# KiCad board CLN17-V1.5.kicad_pcb
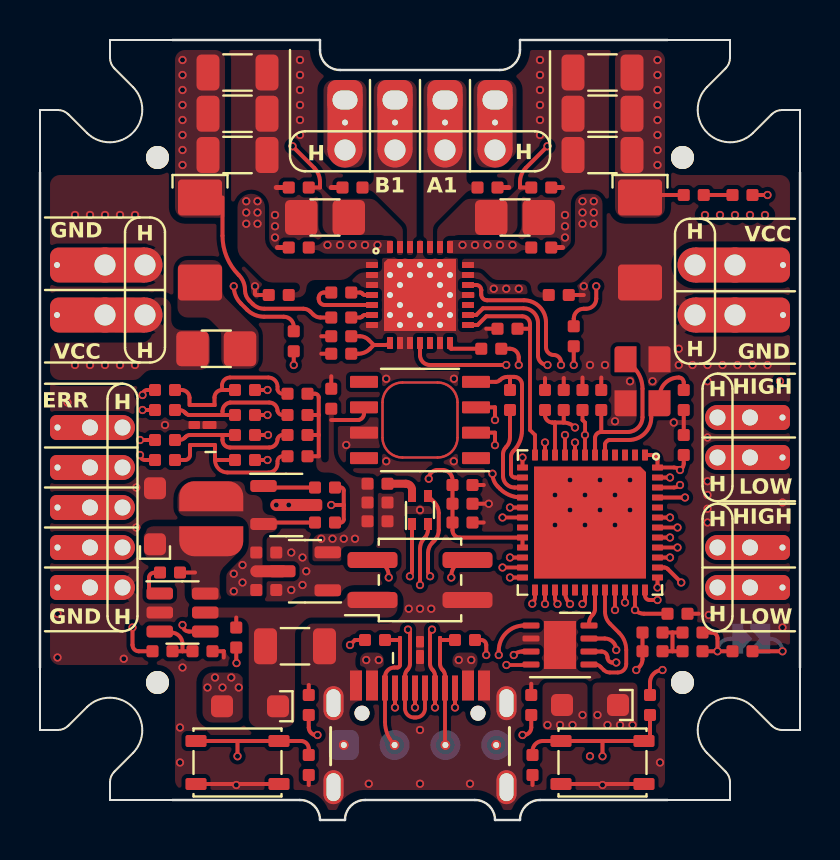
[diagram p0: board, top side]
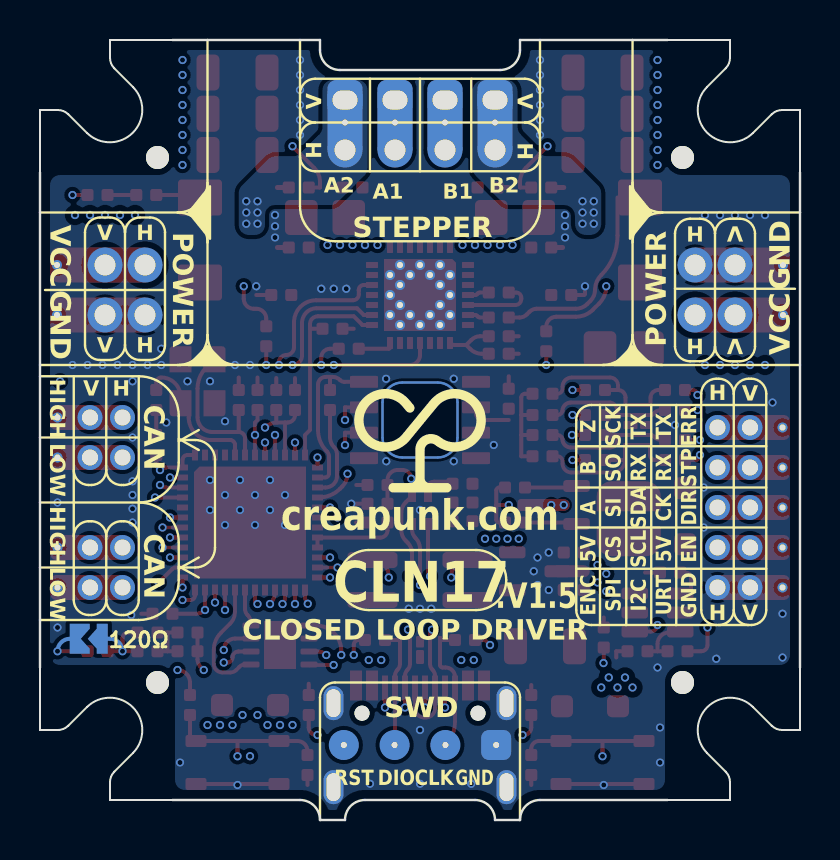
[diagram p1: board, bottom side, seen from below]

Outline 38 x 39 mm; copper layers: Top, In1.Cu, In2.Cu (plane), Bottom (plane). Coordinates in mm from the lower left corner of the outline.
Outline path: 0,32.38 0,7.62 ; 6.62,1 13,1 arc(13.71,0.71) 14,0 15.25,0 arc(15.54,0.71) 16.25,1 21.75,1 arc(22.46,0.71) 22.75,0 24,0 arc(24.29,0.71) 25,1 31.38,1 ; 6.62,39 14,39 14,38.5 arc(14.29,37.79) 15,37.5 23,37.5 arc(23.71,37.79) 24,38.5 24,39 31.38,39 ; 38,7.62 38,32.38
Stack: Top 0.035mm / dielectric 0.1mm FR4 er 4.5 / In1.Cu 0.035mm / dielectric 0.62mm FR4 er 4.5 / In2.Cu 0.035mm / dielectric 0.1mm FR4 er 4.5 / Bottom 0.035mm

## Placement (name value [footprint] x y rotation side)
C1  100n  [C0402]  14.56 21.06 90 top
C2  10u  [C0402]  16.88 14.94 180 top
C3  100n  [C0402]  31.88 10.31 0 top
C4  100n  [C0402]  32.19 18.75 90 top
C5  10u 50V  [C_1206_3216Metric]  28.12 35.31 0 top
C6  12p  [C0402]  32.19 21 90 top
C7  12p  [C0402]  28.06 21 270 top
C8  10u 50V  [C_1206_3216Metric]  28.12 37.38 0 top
C9  10u 50V  [C_1206_3216Metric]  28.12 33.25 0 top
C10  10u 50V  [C_1206_3216Metric]  9.88 33.25 180 top
C11  470p  [C0402]  22.38 31.62 180 top
C12  10u 50V  [C_1206_3216Metric]  12.75 8.69 180 top
C13  10u 50V  [C_1206_3216Metric]  9.88 37.38 180 top
C14  10u 50V  [C_1206_3216Metric]  9.88 35.31 180 top
C15  1u  [C0402]  21.12 15.81 0 top
C16  10u  [C0402]  16.88 15.88 180 top
C17  100n  [C0402]  21.12 14.88 0 top
C18  100n  [C0402]  24.62 2.75 270 top
C19  470p  [C0402]  15.62 31.62 0 top
C20  470p  [C0402]  25.94 26.25 180 top
C21  100n  [C0402]  26.19 21 90 top
C22  100n  [C0402]  13.44 2.75 270 top
C23  470p  [C0402]  11.94 26.25 0 top
C24  100n  [C0402]  15.06 25.12 0 top
C25  100n  [C0402]  6.5 12.38 180 top
C26  10u  [C0402]  21.12 16.75 180 top
C27  22n  [C0402]  15.06 26.37 180 top
C28  100n  [C0402]  12.94 31.62 180 top
C29  1u  [C0402]  15.06 23.31 180 top
C30  100n  [C0402]  12.94 28.62 180 top
C31  100n  [C0402]  27.12 21 90 top
C32  1u  [C0402]  15.06 24.19 180 top
C33  100n  [C0402]  25.06 31.62 0 top
C34  10u  [C0402]  11.31 13.38 180 top
C35  10u  [C0402]  11.31 11.5 180 top
C36  100n  [C0402]  25.06 28.62 0 top
C40  100n  [C0402]  23.38 24.56 180 top
D2  SS24  [D_SOD-123F]  5.75 15.19 90 top
D4  SS24  [D_SOD-123F]  10.5 5.69 180 top
D5  SS54B  [D_SMB]  8 29 270 top
D6  LED_RABG  [LED_RGB_0606]  19 15.5 90 top
D7  SS24  [D_SOD-123F]  27.5 5.75 180 top
D8  SMBJ26A  [D_SMB]  30 29 270 top
F1  6A  [R1206_Shunt]  8.81 23.56 0 top
G***  -  [LOGO]  19 19.62 180 bottom
IC1  STM32G431CB  [QFN-48-1EP_7x7mm_P0.5mm_EP5.6x5.6mm]  27.5 14.87 270 top
J1  PWR  [XH2.54 2P]  32.75 26.5 270 top
J2  PWR  [XH2.54 2P]  5.25 26.5 90 top
J3  TYPE-C-31-M-12  [USB-TYPE-C-31-M-12]  19 4.12 0 top
J4  Motor  [XH2.54 4P]  19 33.75 0 top
J5  CTRL  [PH2.0 5P]  4.12 15.62 90 top
J6  CAN  [PH2.0 2P]  33.88 19.12 270 top
J7  CAN  [PH2.0 2P]  33.88 12.62 270 top
J8  DEBUG  [SWD]  19 3.75 0 bottom
J9  IO  [2x2P2.00mm_Vertical_SMD]  19 12 180 top
JP1  SolderJumper_2_Open  [SolderJumper]  35.56 9.06 0 bottom
L1  33u 600mA  [CD32]  8.56 15.06 270 top
Q1  AO3401  [SOT-23-3]  12.31 15.75 0 top
R1  120  [R0402]  6.25 20.5 180 top
R2  120  [R0402]  6.25 18 180 top
R3  120  [R0402]  6.25 19 180 top
R4  120  [R0402]  21.25 9 180 top
R5  27k  [R0402]  32.69 31.25 0 top
R6  5.1k  [R0402]  25.25 21 90 top
R7  100k  [R0402]  9.81 9.12 90 top
R8  0R  [R0402]  35.12 8.44 0 top
R9  27k  [R0402]  6.12 8.44 180 top
R10  5.1k  [R0402]  8.12 8.44 180 top
R11  100m  [R1206_Shunt]  14.25 30.12 180 top
R12  100m  [R1206_Shunt]  23.75 30.12 0 top
R13  5.1k  [R0402]  30.5 5.75 90 top
R14  510  [R0402]  22.56 23.56 0 top
R15  510  [R0402]  16.88 16.81 180 top
R16  27k  [R0402]  35.12 31.25 0 top
R17  120  [R0402]  10.25 20.25 180 top
R18  120  [R0402]  10.25 18 180 top
R19  120  [R0402]  10.25 21.5 180 top
R20  5.1k  [R0402]  12.88 20.25 0 top
R21  5.1k  [R0402]  12.88 18.19 0 top
R22  5.1k  [R0402]  12.88 19.25 0 top
R23  120  [R0402]  16.75 9 0 top
R24  120  [R0402]  32.62 9.38 180 top
R25  5.1k  [R0402]  26.69 24.19 90 top
R26  120  [R0402]  6.25 21.5 180 top
R27  5.1k  [R0402]  12.88 21.31 0 top
R28  120  [R0402]  30.62 9.38 0 top
R29  5.1k  [R0402]  13.44 5.75 270 top
R30  120  [R0402]  32.62 8.44 180 top
R31  120  [R0402]  30.62 8.44 0 top
R32  10k  [R0402]  14.25 14.88 180 top
R33  510  [R0402]  14.25 16.62 0 top
R34  5.1k  [R0402]  12.69 23.94 90 top
R35  120  [R0402]  10.25 19.25 180 top
R36  510  [R0402]  23.5 21 270 top
R37  5.1k  [R0402]  24.56 5.75 270 top
REF**  -  [MountingHole]  3.5 4.5 270 top
REF**#2  -  [MountingHole]  34.5 35.5 90 top
REF**#3  -  [MountingHole]  34.5 4.5 0 top
REF**#4  -  [MountingHole]  3.5 35.5 180 top
SW1  SW_Push  [SW_SPST_PTS810]  9.88 2.88 0 top
SW2  SW_Push  [SW_SPST_PTS810]  28.12 2.88 0 top
U1  TMC2209  [QFN-28-termal]  19 26.25 0 top
U2  TLE5012B  [SOIC-8_3.9x4.9mm_P1.27mm]  19 20 180 top
U4  XC6206  [SOT-23-3]  13.25 12.44 180 top
U5  H5VU25U  [DFN-2510]  19 8.5 90 top
U8  TJA1042  [HVSON-8-1EP_3x3mm_P0.65mm_EP1.6x2.4mm]  26 8.75 0 top
U9  LGS5148  [SOT-23-6]  7.12 10.38 0 top
U10  H5VU25U  [DFN-2510]  8.12 19.75 180 top
Y1  12M  [Crystal-3225-4P]  30.12 21.94 90 top

## Library data of the parts
C1 C3 C4 C17 C18 C21 C22 C24 C28 C30 C31 C33 C36 C40 = -: Description: Unpolarized capacitor, small symbol; LCSC Part #: C307331; Part Type: Basic
C2 C16 C26 C34 C35 = -: Description: Unpolarized capacitor, small symbol; LCSC Part #: C15525; Part Type: Basic
C5 C8-C10 C12-C14 = -: Description: Unpolarized capacitor, small symbol; LCSC Part #: C13585; Part Type: Basic
C6 C7 = -: Description: Unpolarized capacitor, small symbol; LCSC Part #: C1547; Part Type: Basic
C11 C19 C20 C23 = -: Description: Unpolarized capacitor, small symbol; LCSC Part #: C1537; Part Type: Basic
C15 C29 C32 = -: Description: Unpolarized capacitor, small symbol; LCSC Part #: C52923; Part Type: Basic
C25 = -: Description: Unpolarized capacitor, small symbol; LCSC Part #: C1525; Part Type: Basic
C27 = -: Description: Unpolarized capacitor, small symbol; LCSC Part #: C1532; Part Type: Basic
D2 D4 D7 = -: Description: Diode, small symbol; LCSC Part #: C2827931; Part Type: Extended
D5 = -: Description: Diode, small symbol; LCSC Part #: C3011125; Part Type: Extended
D6 = -: Description: RGB LED, red/anode/blue/green; LCSC Part #: C2874115; Part Type: Extended
D8 = -: Description: Zener diode, small symbol; LCSC Part #: C726831; Part Type: Extended
F1 = -: Description: Fuse, small symbol; LCSC Part #: C183157; Part Type: Extended
IC1 = -: Description: STMICROELECTRONICS - STM32G431CBU6 - MCU, 32BIT, 170MHZ, UFQFPN-48; JLC Rotation Offset: 270; LCSC Part #: C529356; Part Type: Extended
J1 J2 = -: Description: Generic connector, single row, 01x02, script generated (kicad-library-utils/schlib/autogen/connector/); JLC Rotation Offset: 180; LCSC Part #: C2908611; Part Type: Extended
J3 = -: LCSC Part #: C2988369; Part Type: Extended
J4 = -: Description: Generic connector, single row, 01x04, script generated (kicad-library-utils/schlib/autogen/connector/); LCSC Part #: C21273; Part Type: Extended
J5 = -: Description: Generic connector, single row, 01x05, script generated (kicad-library-utils/schlib/autogen/connector/); LCSC Part #: C2908637; Part Type: Extended
J6 J7 = -: Description: Generic connector, single row, 01x02, script generated (kicad-library-utils/schlib/autogen/connector/); LCSC Part #: C2908634; Part Type: Extended
J8 = -: Description: Generic connector, single row, 01x04, script generated; Part Type: -----
J9 = -: Description: Generic connector, double row, 02x02, odd/even pin numbering scheme (row 1 odd numbers, row 2 even numbers), script generated (kicad-library-utils/schlib/autogen/connector/); JLC Rotation Offset: 90; LCSC Part #: C2911301; Part Type: Extended
JP1 = -: Description: Solder Jumper, 2-pole, open; Part Type: -----
L1 = -: Description: Inductor, small symbol; LCSC Part #: C492262; Part Type: Extended
Q1 = -: Description: -4.0A Id, -30V Vds, P-Channel MOSFET, SOT-23; JLC Rotation Offset: 180; LCSC Part #: C15127; Part Type: Basic
R1-R4 R17-R19 R23 R24 R26 R28 R30 R31 R35 = -: Description: Resistor, small symbol; LCSC Part #: C25079; Part Type: Basic
R5 R9 R16 = -: Description: Resistor, small symbol; LCSC Part #: C25771; Part Type: Basic
R6 R10 R13 R20-R22 R25 R27 R29 R34 R37 = -: Description: Resistor, small symbol; LCSC Part #: C25941; Part Type: Basic
R7 = -: Description: Resistor, small symbol; LCSC Part #: C25741; Part Type: Basic
R8 = -: Description: Resistor, small symbol; LCSC Part #: C17168; Part Type: Basic
R11 R12 = -: Description: Resistor, small symbol; LCSC Part #: C7467250; Part Type: Extended
R14 R15 R33 R36 = -: Description: Resistor, small symbol; LCSC Part #: C25123; Part Type: Basic
R32 = -: Description: Resistor, small symbol; LCSC Part #: C25744; Part Type: Basic
SW1 SW2 = -: Description: Push button switch, generic, two pins; LCSC Part #: C2888427; Part Type: Extended
U1 = -: JLC Rotation Offset: 270; LCSC Part #: C465949; Part Type: Extended
U2 = -: JLC Rotation Offset: 270; LCSC Part #: C123083; Part Type: Extended
U4 = -: Description: Positive 60-250mA Low Dropout Regulator, Fixed Output, SOT-23; JLC Rotation Offset: 180; LCSC Part #: C5446; Part Type: Basic
U5 U10 = -: Description: Very low capacitance ESD protection diode, 4 data-line, SOT-23-6; JLC Rotation Offset: 270; LCSC Part #: C7420374; Part Type: Basic
U8 = -: Description: CAN Bus Transceiver, EMC optimised, 5.0V, 1Mbps, SOIC-8; JLC Rotation Offset: 270; LCSC Part #: C131480; Part Type: Extended
U9 = -: JLC Rotation Offset: 270; LCSC Part #: C5123972; Part Type: Extended
Y1 = -: Description: Four pin crystal, GND on pins 2 and 4, small symbol; LCSC Part #: C9002; Part Type: Basic

## Footprints (pads in the part's own frame, mm; a bottom-side part is the same pattern mirrored in y, then rotated)
2x2P2.00mm_Vertical_SMD
  rrect 2.5x0.8 smd: 1(2.375,1) 2(-2.375,1) 3(2.375,-1) 4(-2.375,-1)
C0402
  rrect 0.6x0.6 smd: 1(-0.5,0) 2(0.5,0)
C_1206_3216Metric
  rrect 1.15x1.8 smd: 1(-1.475,0) 2(1.475,0)
CD32
  rrect 1.5x3.2 smd: 1(1.125,0) 2(-1.125,0)
Crystal-3225-4P
  rrect 1.3x1.1 smd: 1(-1.1,-0.85) 2(1.1,-0.85) 3(1.1,0.85) 4(-1.1,0.85)
D_SMB
  rrect 1.8x2.2 smd: 1(-2.125,0) 2(2.125,0)
D_SOD-123F
  rrect 1.1x1.1 smd: 1(-1.4,0) 2(1.4,0)
DFN-2510
  rrect 0.625x0.2 smd: 1(-0.388,1) 2(-0.388,0.5) 4(-0.388,-0.5) 5(-0.388,-1) 6(0.388,-1) 7(0.388,-0.5) 9(0.388,0.5) 10(0.388,1)
  rrect 0.7x0.4 smd: 3(-0.35,0)
  rrect 0.575x0.4 smd: 8(0.412,0)
HVSON-8-1EP_3x3mm_P0.65mm_EP1.6x2.4mm
  rrect 0.64x0.97 smd: (-0.4,0.6) (-0.4,-0.6) (0.4,0.6) (0.4,-0.6)
  rrect 0.85x0.3 smd: 1(-1.45,0.975) 2(-1.45,0.325) 3(-1.45,-0.325) 4(-1.45,-0.975) 5(1.45,-0.975) 6(1.45,-0.325) 7(1.45,0.325) 8(1.45,0.975)
  rect 1.6x2.4 smd: 9(0,0)
LED_RGB_0606
  rect 0.6x0.4 smd: 1(-0.7,0.4) 2(0.7,0.4) 3(0.7,-0.4) 4(-0.7,-0.4)
MountingHole
  round 1.152 hole 1.152 unplated: (-2.375,2.375)
PH2.0 2P
  round 0.5 hole 0.3: 1(-1,3.25) 2(1,3.25)
  rrect 1.25x3.625 smd: 1(-1,1.812) 2(1,1.812)
  round 1.25 hole 0.8: 1(-1,1.625) 1(-1,0) 2(1,1.625) 2(1,0)
PH2.0 5P
  round 0.5 hole 0.3: 1(-4,3.25) 2(-2,3.25) 3(0,3.25) 4(2,3.25) 5(4,3.25)
  rrect 1.25x3.625 smd: 1(-4,1.812) 2(-2,1.812) 3(0,1.812) 4(2,1.812) 5(4,1.812)
  round 1.25 hole 0.8: 1(-4,1.625) 1(-4,0) 2(-2,1.625) 2(-2,0) 3(0,1.625) 3(0,0) 4(2,1.625) 4(2,0) 5(4,1.625) 5(4,0)
QFN-28-termal
  rrect 0.6x0.3 smd: 1(-2.4,1.5) 2(-2.4,1) 3(-2.4,0.5) 4(-2.4,0) 5(-2.4,-0.5) 6(-2.4,-1) 7(-2.4,-1.5) 15(2.4,-1.5) 16(2.4,-1) 17(2.4,-0.5) 18(2.4,0) 19(2.4,0.5) 20(2.4,1) 21(2.4,1.5)
  rrect 0.3x0.6 smd: 8(-1.5,-2.4) 9(-1,-2.4) 10(-0.5,-2.4) 11(0,-2.4) 12(0.5,-2.4) 13(1,-2.4) 14(1.5,-2.4) 22(1.5,2.4) 23(1,2.4) 24(0.5,2.4) 25(0,2.4) 26(-0.5,2.4) 27(-1,2.4) 28(-1.5,2.4)
  round 0.5 hole 0.3: 29(-1.5,1) 29(-1.5,0) 29(-1.5,-1) 29(-1,1.5) 29(-1,0.5) 29(-1,-0.5) 29(-1,-1.5) 29(-0.5,1) 29(-0.5,-1) 29(0,1.5) 29(0,-1.5) 29(0.5,1) 29(0.5,-1) 29(1,1.5) 29(1,0.5) 29(1,-0.5) 29(1,-1.5) 29(1.5,1) 29(1.5,0) 29(1.5,-1)
  rrect 3.6x3.6 smd: 29(0,0)
QFN-48-1EP_7x7mm_P0.5mm_EP5.6x5.6mm
  rrect 1.13x1.13 smd: (-2.1,2.1) (-2.1,0.7) (-2.1,-0.7) (-2.1,-2.1) (-0.7,2.1) (-0.7,0.7) (-0.7,-0.7) (-0.7,-2.1) (0.7,2.1) (0.7,0.7) (0.7,-0.7) (0.7,-2.1) (2.1,2.1) (2.1,0.7) (2.1,-0.7) (2.1,-2.1)
  rrect 0.55x0.3 smd: 1(-3.375,2.75) 2(-3.375,2.25) 3(-3.375,1.75) 4(-3.375,1.25) 5(-3.375,0.75) 6(-3.375,0.25) 7(-3.375,-0.25) 8(-3.375,-0.75) 9(-3.375,-1.25) 10(-3.375,-1.75) 11(-3.375,-2.25) 12(-3.375,-2.75) 25(3.375,-2.75) 26(3.375,-2.25) 27(3.375,-1.75) 28(3.375,-1.25) 29(3.375,-0.75) 30(3.375,-0.25) 31(3.375,0.25) 32(3.375,0.75) 33(3.375,1.25) 34(3.375,1.75) 35(3.375,2.25) 36(3.375,2.75)
  rrect 0.3x0.55 smd: 13(-2.75,-3.375) 14(-2.25,-3.375) 15(-1.75,-3.375) 16(-1.25,-3.375) 17(-0.75,-3.375) 18(-0.25,-3.375) 19(0.25,-3.375) 20(0.75,-3.375) 21(1.25,-3.375) 22(1.75,-3.375) 23(2.25,-3.375) 24(2.75,-3.375) 37(2.75,3.375) 38(2.25,3.375) 39(1.75,3.375) 40(1.25,3.375) 41(0.75,3.375) 42(0.25,3.375) 43(-0.25,3.375) 44(-0.75,3.375) 45(-1.25,3.375) 46(-1.75,3.375) 47(-2.25,3.375) 48(-2.75,3.375)
  rrect 5.6x5.6 smd: 49(0,0)
R0402
  rrect 0.6x0.6 smd: 1(-0.5,0) 2(0.5,0)
R1206_Shunt
  rrect 1.625x1.75 smd: 1(-1.188,0) 2(1.188,0)
SOIC-8_3.9x4.9mm_P1.27mm
  rrect 1.4x0.6 smd: 1(-2.8,1.905) 2(-2.8,0.635) 3(-2.8,-0.635) 4(-2.8,-1.905) 5(2.8,-1.905) 6(2.8,-0.635) 7(2.8,0.635) 8(2.8,1.905)
SolderJumper
  custom 1x1.5 smd: 1(-0.65,0) 2(0.65,0)
SOT-23-3
  rrect 1.325x0.6 smd: 1(-1.137,0.95) 2(-1.137,-0.95) 3(1.137,0)
SOT-23-6
  rrect 1.325x0.6 smd: 1(-1.137,0.95) 2(-1.137,0) 3(-1.137,-0.95) 4(1.137,-0.95) 5(1.137,0) 6(1.137,0.95)
SW_SPST_PTS810
  rrect 1.05x0.6 smd: 1(-2.075,1.075) 1(2.075,1.075) 2(-2.075,-1.075) 2(2.075,-1.075)
SWD
  round 0.5 hole 0.3: 1(-3.81,0) 2(-1.27,0) 3(1.27,0) 4(3.81,0)
  rrect 1.5x1.5 smd: 1(-3.81,0)
  round 1.5 smd: 2(-1.27,0) 3(1.27,0) 4(3.81,0)
USB-TYPE-C-31-M-12
  round 0.75 hole 0.75 unplated: (-2.9,1.216) (2.9,1.216)
  rect 0.3x1.5 smd: A1(-3.35,2.6) A4(-2.55,2.6) A9(2.55,2.6) A12(3.35,2.6) B1(3.05,2.6) B4(2.25,2.6) B9(-2.25,2.6) B12(-3.05,2.6)
  rect 0.3x1.25 smd: A5(-1.25,2.475) A6(-0.25,2.475) A7(0.25,2.475) A8(1.25,2.475) B5(1.75,2.475) B6(0.75,2.475) B7(-0.75,2.475) B8(-1.75,2.475)
  oval 1x1.7 hole 0.7x1.4: S1(-4.325,1.716) S1(-4.325,-2.484) S1(4.325,1.716) S1(4.325,-2.484)
XH2.54 2P
  round 0.5 hole 0.3: 1(-1.25,4.4) 2(1.25,4.4)
  rrect 1.75x4.75 smd: 1(-1.25,2.375) 2(1.25,2.375)
  round 1.75 hole 1.05: 1(-1.25,2) 1(-1.25,0) 2(1.25,2) 2(1.25,0)
XH2.54 4P
  rrect 1.75x1.5 hole 1.25x0.95: 1(-3.75,2.25) 2(-1.25,2.25) 3(1.25,2.25) 4(3.75,2.25)
  rrect 1.75x3.5 smd far side: 1(-3.75,1.5) 2(-1.25,1.5) 3(1.25,1.5) 4(3.75,1.5)
  round 0.5 hole 0.3: 1(-3.75,1.125) 2(-1.25,1.125) 3(1.25,1.125) 4(3.75,1.125)
  oval 1.75x1.75 hole 1.05: 1(-3.75,-0.25) 2(-1.25,-0.25) 3(1.25,-0.25) 4(3.75,-0.25)
  rrect 1.75x3.5 smd: 1(-3.75,1.5) 2(-1.25,1.5) 3(1.25,1.5) 4(3.75,1.5)

## Nets
+3V3: C1.1 C2.2 C3.1 C4.1 C15.1 C16.2 C17.1 C26.2 IC1.1 IC1.20 IC1.21 IC1.23 IC1.35 IC1.48 R15.2 R20.2 R21.2 R22.2 R27.2 U2.6 U4.2
+5V: C34.2 C35.2 D7.1 L1.2 Q1.2 R9.2 R32.2 U4.3 U8.3
GND: C1.2 C2.1 C3.2 C4.2 C5.1 C6.1 C7.1 C8.1 C9.1 C10.1 C11.1 C12.1 C13.1 C14.1 C15.2 C16.1 C17.2 C18.2 C19.1 C20.1 C21.2 C22.2 C23.1 C26.1 C28.2 C29.2 C30.2 C31.2 C32.2 C33.2 C34.1 C35.1 C36.2 C40.2 D2.2 D8.2 IC1.49 J1.2 J2.2 J3.A1 J3.A12 J3.B1 J3.B12 J3.S1 J5.1 J8.1 J9.2 R6.2 R10.1 R11.2 R12.2 R29.1 R37.1 SW1.2 SW2.2 U1.2 U1.3 U1.7 U1.9 U1.10 U1.13 U1.18 U1.20 U1.25 U1.29 U2.7 U4.1 U5.3 U5.8 U8.2 U8.9 U9.2 U10.3 U10.8 Y1.2 Y1.4
VBUS: C12.2 D4.1 J9.1 R7.2 U9.5
/_DIR: R1.1 R17.2 R20.1 U10.4 U10.7
/_ENB: R19.2 R26.1 R27.1 U10.5 U10.6
/_ERR: R3.1 R22.1 R35.2 U10.2 U10.9
/_STP: R2.1 R18.2 R21.1 U10.1 U10.10
/_SWCLK: IC1.37 R23.1
/_SWDIO: IC1.36 R4.1
/A1: C11.2 J4.3 U1.24
/A2: C20.2 J4.4 U1.21
/B1: C19.2 J4.2 U1.26
/B2: C23.2 J4.1 U1.1
/CAN_IO: IC1.32 U8.5
/CAN_N: J6.2 J7.2 R28.1 R31.1 U8.6
/CAN_P: J6.1 J7.1 JP1.2 R8.2 U8.7
/CAN_RX: IC1.46 U8.4
/CAN_SD: IC1.31 U8.8
/CAN_TX: IC1.47 U8.1
/CC1: J3.A5 R29.2
/CC2: J3.B5 R37.2
/CPI: C27.2 U1.5
/CPO: C27.1 U1.4
/CTRL_CS: IC1.30 R19.1
/CTRL_MISO: IC1.42 R18.1
/CTRL_MOSI: IC1.43 R17.1
/CTRL_SCK: IC1.41 R35.1
/DIR: J5.3 R1.2
/ENB: J5.2 Q1.3 R26.2
/ENC_CS: IC1.16 U2.3
/ENC_DIO: IC1.14 R36.1 U2.4
/ENC_MOSI: IC1.15 R36.2
/ENC_SCK: IC1.13 U2.2
/ERR: J5.5 R3.2
/EXP_RX: IC1.40 J9.4
/EXP_TX: IC1.39 J9.3
/FB: R9.1 R10.2 U9.3
/IA: IC1.11 R25.1
/IB: IC1.17 R34.1
/OSC_IN: C6.2 IC1.5 Y1.1
/OSC_OUT: C7.2 IC1.6 Y1.3
/PDN: R14.1 U1.14
/RA: C33.1 R12.1 R25.2 U1.23
/RB: C28.1 R11.1 R34.2 U1.27
/RESET: C31.1 IC1.7 J8.4 R13.2
/STP: J5.4 R2.2
/SW: C25.1 D2.1 L1.1 U9.6
/SW1: C22.1 IC1.38 SW1.1
/SW2: C18.1 IC1.45 R13.1 SW2.1
/SWCLK: J3.B8 J8.2 R23.2 U5.1 U5.10
/SWDIO: J3.A8 J8.3 R4.2 U5.5 U5.6
/TMC_3V3: C40.1 IC1.12 U1.15
/TMC_DIAG: IC1.18 U1.11
/TMC_DIR: IC1.9 U1.19
/TMC_PDN: IC1.22 IC1.24 R14.2
/TMC_STP: IC1.8 U1.16
/USB_DN: IC1.33 J3.A7 J3.B7 U5.2 U5.9
/USB_DP: IC1.34 J3.A6 J3.B6 U5.4 U5.7
/VCP: C24.2 U1.6
/VMP: D5.2 F1.2
/VSENS: C21.1 IC1.10 R6.1 R16.2
/~{BLU}: D6.3 IC1.28
/~{CTRL_5V}: IC1.25 R32.1 R33.2
/~{GRN}: D6.4 IC1.27
/~{RED}: D6.1 IC1.26
VCON: D4.2 F1.1 J1.1 J2.1
VD: C29.1 C32.1 U1.8
VM: C5.2 C8.2 C9.2 C10.2 C13.2 C14.2 C24.1 C30.1 C36.1 D5.1 D8.1 R5.1 U1.22 U1.28
VUSB: D7.2 J3.A4 J3.A9 J3.B4 J3.B9
Net-(D6-A): D6.2 R15.1
Net-(JP1-A): JP1.1 R8.1 R24.1 R30.1
Net-(Q1-G): Q1.1 R33.1
Net-(R16-Pad1): R5.2 R16.1
Net-(R24-Pad2): R24.2 R28.2 R30.2 R31.2
Net-(U9-BST): C25.2 U9.1
Net-(U9-EN): R7.1 U9.4

Pads without a net: IC1 2 3 4 19 29 44; U1 12 17; U2 1 5 8

## Via types
v1: diameter 0.41, hole 0.25, Top to Bottom, 256 vias

## Routing (per net, layer and track width the routed paths; a pad name or vN(x,y) marks a point on that pad's centre or on a via; arc(x,y) is an arc through that point)
+3V3: length 22.3
  Top w0.19: IC1.23 23.13,12.62 ; IC1.35 v1(29.75,10.5) ; IC1.48 31.7,17.62 arc(31.78,17.62) 31.86,17.59
  Top w0.2: R20.2 13.94,20.25 ; 13.94,20.25 13.94,19.25 ; 13.94,20.25 13.94,21.12 arc(13.88,21.26) 13.75,21.31 R27.2 ; 13.94,19.25 13.94,18.19 R21.2 ; 13.94,19.25 R22.2 ; IC1.48 30.88,18 arc(30.8,18.18) 30.63,18.25 IC1.1 ; 31.86,17.59 31.96,17.5 v1(32,17.5) 32,17.5 32.12,17.62 arc(32.17,17.72) 32.19,17.83 32.19,18.12 ; 14.56,20 15.92,20 arc(15.92,20) 15.93,20 arc(16.12,20.11) 16.2,20.33 U2.6 ; 31.12,10.31 30.2,10.31 arc(29.96,10.36) v1(29.75,10.5) ; 24.12,14.12 20.99,14.12 arc(20.73,14.23) 20.62,14.49 C17.1 20.62,17 arc(20.48,17.35) 20.12,17.5 19.88,17.5 arc(19.57,17.37) v1(19.44,17.06) ; IC1.20 IC1.21 ; 23.13,12.62 arc(23.13,12.62) v1(23.12,12.62)
  vias: v1(14.06,14.06) v1(14.62,14.06) v1(15.19,14.06) v1(15.75,14.06)
+5V: length 12.6
  Top w0.2: v1(4.62,9.62) 4.62,8.75 arc(4.72,8.53) 4.94,8.44 R9.2 ; Q1.2 11.21,14.84 arc(11.25,14.87) 11.3,14.88 13.69,14.88 ; 24.8,8.42 24.11,8.42 arc(23.88,8.38) v1(23.69,8.25)
  Top w0.6: 10.81,12.44 U4.3
  In1.Cu w0.13: v1(9.69,11.44) 9.56,11.31 arc(8.39,10.53) 7,10.25 arc(6.77,10.2) 6.57,10.07 6.38,9.88 arc(6.1,9.69) 5.77,9.62 v1(4.62,9.62)
  vias: v1(9.69,12.31) v1(10.12,12.75) v1(10.12,11.88) v1(27.88,5.25) v1(28.38,4.75) v1(29,4.75) v1(29.62,4.75)
GND: length 24.8
  Top w0.2: C40.2 22.31,24.56 ; C23.1 10.81,26.25 arc(10.77,26.27) 10.75,26.31 v1(10.75,26.69) ; C7.1 28.06,22.12 ; 13.44,6.23 13.44,6.75 ; C17.2 22.19,14.88 ; SW1.2 9.86,1.8 v1(9.81,1.75) 9.76,1.8 SW1.2 ; C18.2 24.62,1.75 ; 9.19,8.12 9.19,8.44 R10.1 ; C3.2 32.94,10.31 ; C6.1 32.19,19.38 ; C29.2 14.06,23.31 ; C20.1 27.19,26.25 ; C32.2 14.06,24.19 ; R6.2 25.25,22.1 ; SW2.2 28.08,1.8 v1(28.12,1.75) 28.17,1.8 SW2.2 ; R37.1 24.56,6.81 ; v1(22.44,15.81) C15.2 ; C26.1 22.19,16.75 ; 14.56,21.69 14.56,22.19 ; C21.2 26.19,22.1 ; C22.2 13.44,1.75 ; C31.2 27.12,22.12
  Top w0.25: C19.1 14.56,31.62 ; C30.2 11.88,28.62 ; C33.2 26.12,31.62 ; C28.2 11.81,31.62 ; C11.1 23.44,31.62 ; C36.2 26.12,28.62
  vias: v1(0.88,10.31) v1(0.88,8.12) v1(1.38,20.88) v1(1.75,30.25) v1(2.5,30.25) v1(3.25,30.25) v1(4,30.25) v1(4.19,8.06) v1(4.75,30.25) v1(4.81,16.62) v1(4.81,14.62) v1(6.25,19.75) v1(7,4.62) v1(7,2.88) v1(7.12,7.62) v1(11.75,30.25) v1(11.75,29.69) v1(11.75,29.12) v1(12.56,13.38) v1(12.56,11.5) v1(13,38) v1(13,37.25) v1(13,36.5) v1(13,35.75) v1(13,35) v1(13,34.25) v1(13.12,13.12) v1(13.12,11.75) v1(13.31,12.44) v1(15.31,18.75) v1(16.44,1.81) v1(17.31,22.06) v1(17.31,17.94) v1(18.44,10.56) v1(19,15.5) v1(19,10.56) v1(19,4.5) v1(19,1.81) v1(19.56,10.56) v1(20.7,22.06) v1(20.69,17.94) v1(21.5,1.81) v1(22.69,26.56) v1(23.31,26.56) v1(23.94,26.56) v1(25,38) v1(25,37.25) v1(25,36.5) v1(25,35.75) v1(25,35) v1(25,34.25) v1(25.75,16.25) v1(25.75,14.75) v1(26.25,30.25) v1(26.25,29.69) v1(26.25,29.12) v1(26.5,17) v1(26.5,15.5) v1(27.19,26.69) v1(27.25,16.25) v1(27.25,14.75) v1(27.5,22.75) v1(28,17) v1(28,15.5) v1(28.25,22.75) v1(28.75,19.94) v1(28.75,16.25) v1(28.75,14.75) v1(29.5,21.94) v1(29.5,17) v1(29.5,15.5) v1(30.62,21.94) v1(31,2.88) v1(31.69,19.88) v1(31.94,23.56) v1(31.94,22.75) v1(32.62,22.75) v1(33.38,22.75) v1(33.38,21.94) v1(33.38,19.12) v1(33.38,16.94) v1(33.38,16.25) v1(33.38,15.56) v1(33.38,14.88) v1(33.44,10.25) v1(34.12,22.75) v1(34.88,22.75) v1(35.62,22.75) v1(36.38,22.75) v1(37.12,15.88) v1(37.12,9.62)
VBUS: length 0.5
  Top w0.2: R7.2 9.81,10.12
/_DIR: length 7.1
  Top w0.2: 9.12,20.25 7.77,20.25 7.77,20.25 7.43,20.25 arc(7.36,20.28) 7.3,20.33 7.25,20.38 arc(7.11,20.47) 6.95,20.5 6.73,20.5 ; 9.12,20.25 R17.2 ; 9.12,20.25 9.12,20.44 arc(9.23,20.73) 9.51,20.87 11.46,20.87 arc(11.75,20.75) 11.88,20.46 arc(11.96,20.31) 12.12,20.25 R20.1
/_ENB: length 8
  Top w0.19: 9.1,21.5 9.1,21.73 arc(9.22,22.01) 9.5,22.12 11.42,22.12 arc(11.74,21.99) 11.88,21.67 11.88,21.52 arc(11.96,21.37) 12.12,21.31 R27.1
  Top w0.2: 6.7,21.5 7.08,21.5 arc(7.36,21.38) 7.48,21.11 7.48,20.75 ; 7.71,20.75 8.49,20.75 ; 8.73,20.75 8.73,21.12 arc(8.83,21.39) 9.1,21.5 R19.2
/_ERR: length 7.1
  Top w0.2: 9.77,19.25 9.12,19.25 9.12,19 arc(9.23,18.73) 9.5,18.62 11.46,18.62 arc(11.75,18.75) 11.88,19.04 arc(11.96,19.19) 12.12,19.25 R22.1 ; 9.25,19.25 7.77,19.25 ; 7.55,19.25 7.5,19.25 arc(7.38,19.23) 7.29,19.16 7.25,19.12 arc(7.11,19.03) 6.95,19 6.73,19
/_STP: length 8.5
  Top w0.19: 8.75,18 arc(8.93,17.56) 9.38,17.38 11.43,17.38 arc(11.74,17.51) 11.88,17.82 11.88,17.94 arc(11.95,18.11) 12.12,18.19
  Top w0.195: R21.1 12.12,18.19
  Top w0.2: 6.73,18 7.25,18 arc(7.43,18.07) 7.5,18.25 7.5,18.75 ; 8.54,18.75 7.77,18.75 ; 9.77,18 8.75,18 8.75,18.75
/_SWCLK: length 18.3
  Top w0.2: IC1.37 v1(30.88,11.62) ; 16.27,9 15.75,9 v1(15.5,8.75)
  In1.Cu w0.13: v1(15.5,8.75) 20.06,8.75 arc(20.35,8.81) 20.59,8.97 20.72,9.1 arc(20.96,9.26) 21.25,9.31 27.27,9.31 arc(27.75,9.41) 28.15,9.68 arc(28.28,9.77) 28.43,9.8 29.55,9.8 arc(30.04,10) 30.25,10.5 30.25,11 arc(30.43,11.44) v1(30.88,11.62)
/_SWDIO: length 12
  Top w0.2: v1(30.88,11) 30.48,11 arc(30.32,11.07) 30.25,11.23 IC1.36 ; v1(22.31,8.25) 22.31,8.75 arc(22.24,8.93) 22.06,9 R4.1
  In1.Cu w0.13: v1(22.31,8.25) 22.31,8.25 22.62,8.56 22.71,8.65 22.93,8.81 23.17,8.93 23.42,9.01 23.68,9.05 23.81,9.05 27.38,9.05 arc(27.85,9.15) 28.26,9.42 arc(28.39,9.51) 28.53,9.53 29.56,9.53 arc(30,9.62) 30.37,9.87 30.44,9.94 arc(30.76,10.42) 30.88,10.99 v1(30.88,11)
/A1: length 5
  In1.Cu w1.5: J4.3 J4.3
  In2.Cu w1.5: J4.3 J4.3